# Allegro board LAY-31407_C2.brd (continued)
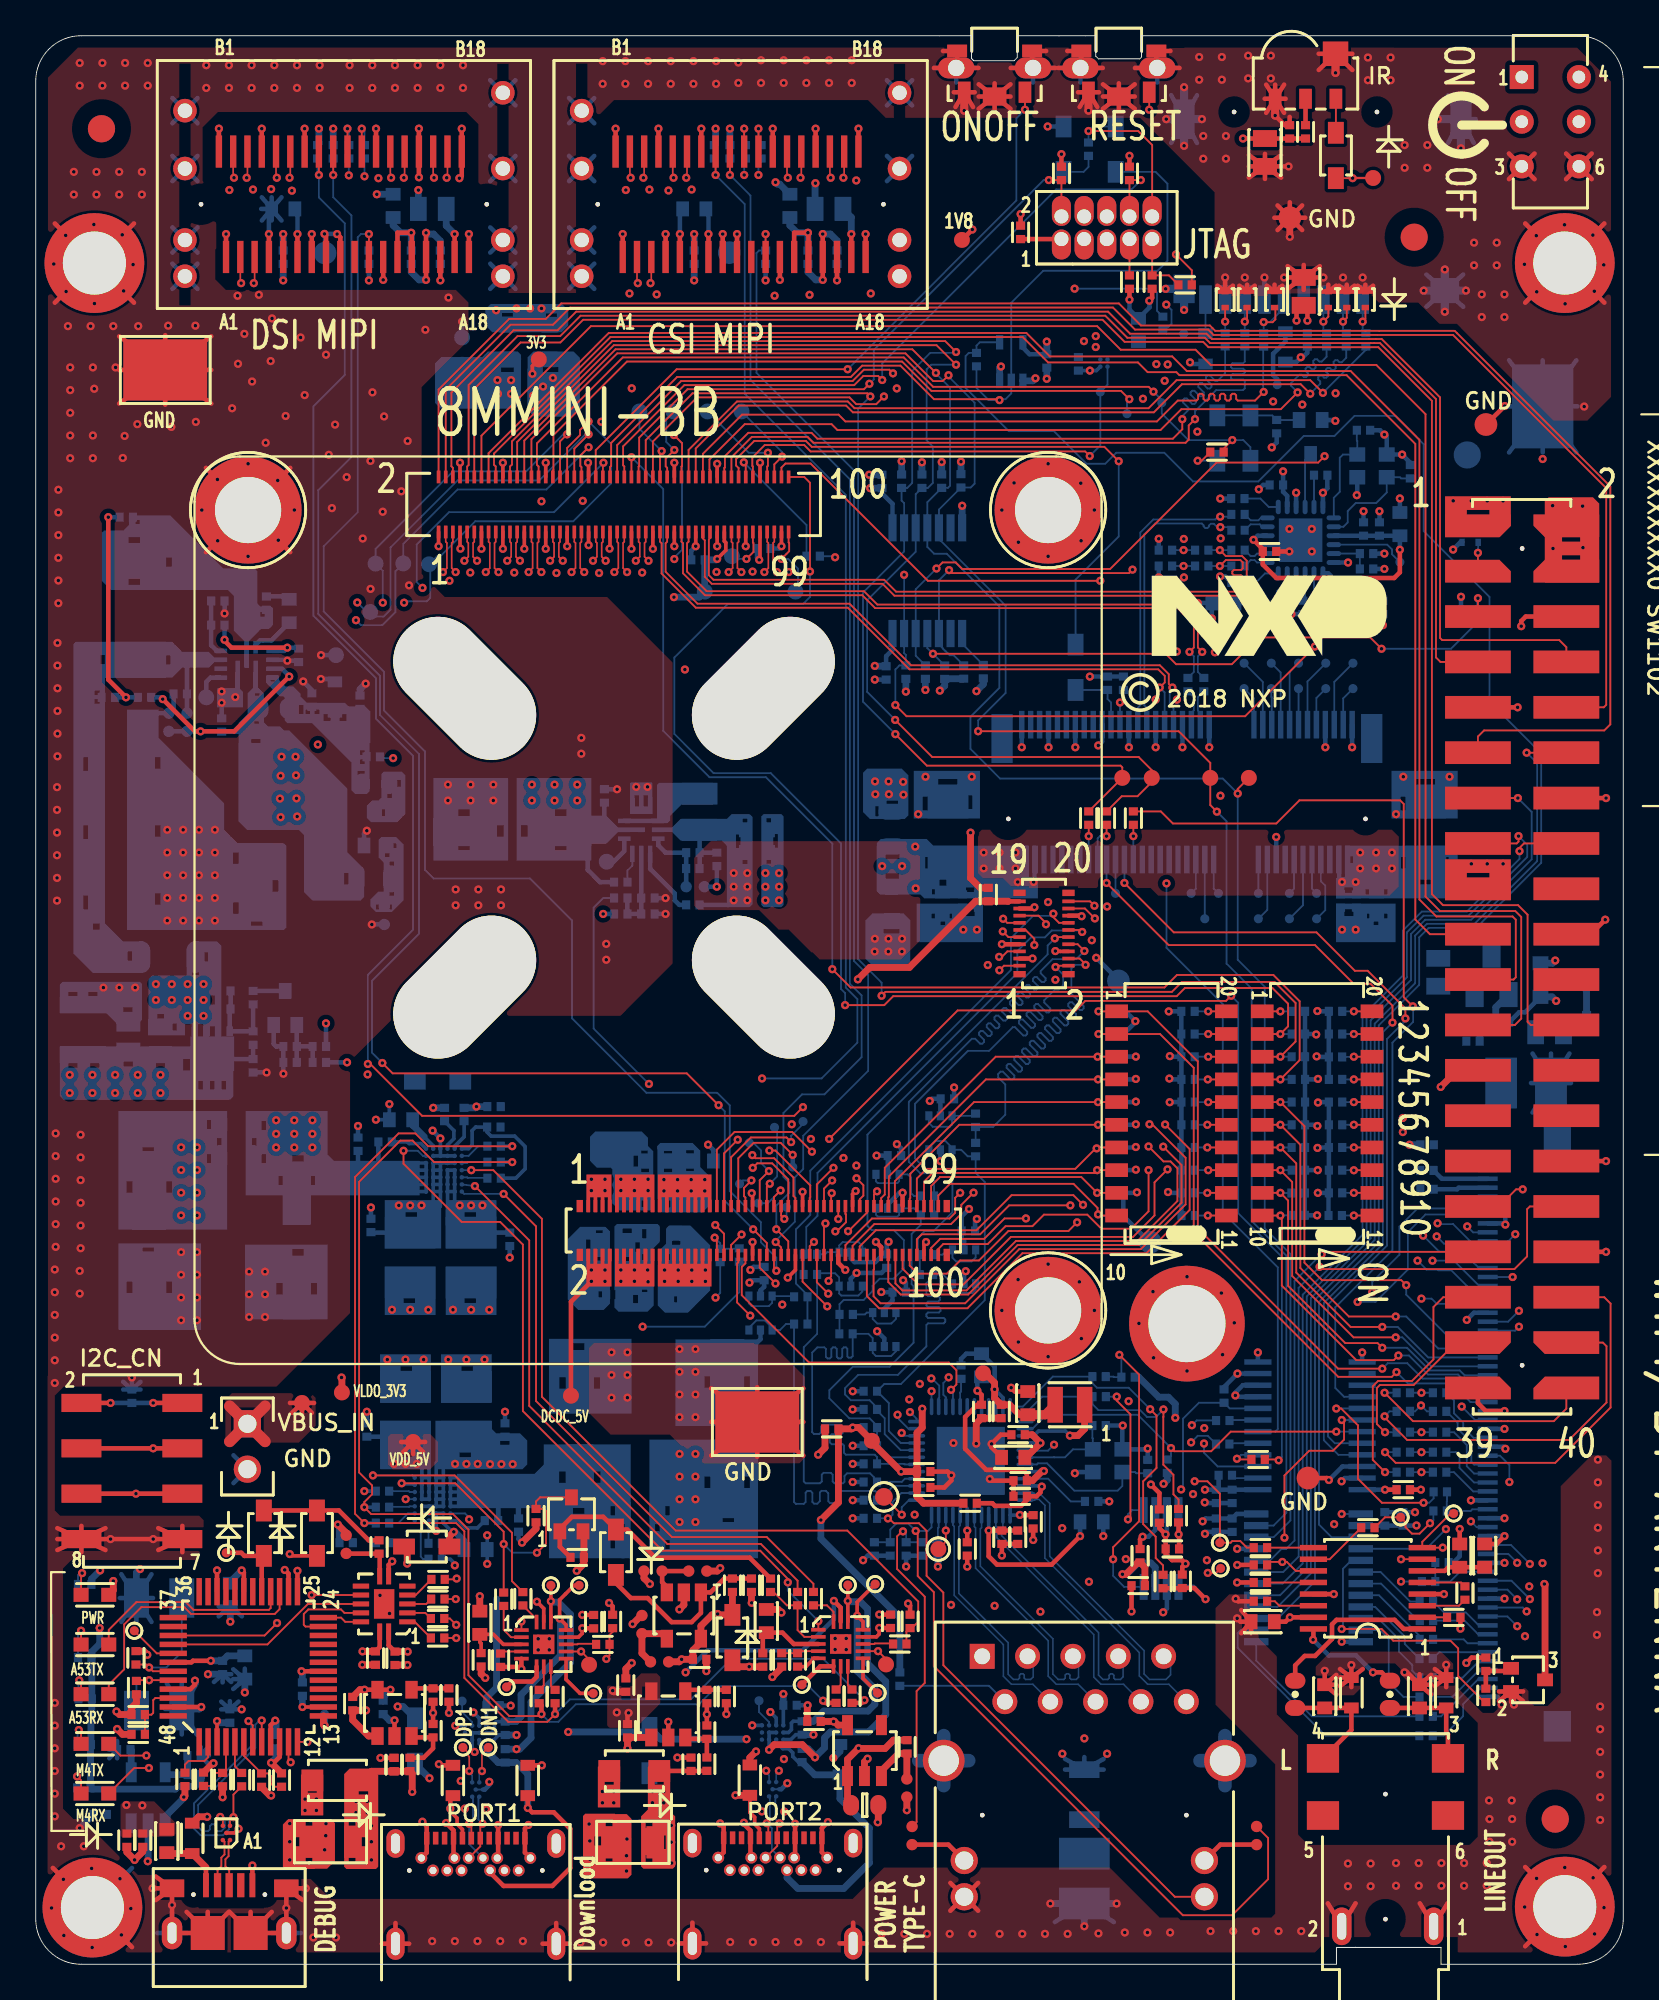
[diagram p0: board, top side]
## Routing (per net, layer and track width the routed paths; a pad name or vN(x,y) marks a point on that pad's centre or on a via; arc(x,y) is an arc through that point) (continued)
SD2_DATA0: length 37.5
  TOP w0.102: v1(64.92,86.49) 64.57,86.14 64.57,85.34 64.39,85.17 43.55,85.17 43.22,85.49 40.1,85.49 38.96,84.35 J201.84
  BOTTOM w0.102: R705.1 67.71,89.71 67.62,89.62 67.02,89.62 66.93,89.53 66.93,89.4 67.02,89.31 67.62,89.31 67.71,89.22 67.71,89.1 67.62,89.01 67.02,89.01 66.93,88.92 66.93,88.79 67.02,88.7 67.62,88.7 67.71,88.61 67.71,88.21 67.6,88.11 66.1,88.11 64.92,86.93 v1(64.92,86.49)
SD2_DATA1: length 37.4
  TOP w0.102: v1(64.21,86.49) 64.21,85.92 63.68,85.39 43.77,85.39 43.44,85.72 39.9,85.72 38.59,84.41 38.59,83.79 38.56,83.76 J201.82
  BOTTOM w0.102: v1(64.21,86.49) 64.21,86.66 64.54,87 64.54,87.12 64.24,87.43 64.24,87.56 64.33,87.65 64.45,87.65 64.76,87.34 64.89,87.34 64.98,87.43 64.98,87.56 64.67,87.86 64.67,87.99 64.76,88.08 64.89,88.08 65.19,87.77 65.32,87.77 65.41,87.86 65.41,87.99 65.1,88.29 65.1,88.42 65.19,88.51 65.32,88.51 65.62,88.2 65.75,88.2 65.84,88.29 65.84,88.42 65.53,88.72 65.53,88.85 65.62,88.94 65.75,88.94 66.05,88.63 66.18,88.63 66.61,89.06 R707.1
SD2_DATA2: length 42.9
  TOP w0.102: v1(72.08,87.96) 71.37,88.67 63.89,88.67 62.31,87.1 45.85,87.1 45.47,87.48 39.27,87.48 36.56,84.77 J201.72
  BOTTOM w0.102: R708.1 74.49,90.37 v1(72.08,87.96)
SD2_DATA3: length 42.9
  TOP w0.102: v1(71.37,87.91) 70.84,88.44 64.19,88.44 62.61,86.87 45.76,86.87 45.38,87.25 39.36,87.25 36.96,84.85 J201.74
  BOTTOM w0.102: v1(71.37,87.91) 71.93,88.47 71.93,88.6 71.82,88.71 71.82,88.83 71.91,88.92 72.03,88.92 72.15,88.81 72.27,88.81 72.36,88.9 72.36,89.03 72.25,89.14 72.25,89.27 72.34,89.36 72.46,89.36 72.58,89.24 72.7,89.24 72.79,89.33 72.79,89.46 72.68,89.57 72.68,89.7 72.77,89.79 72.89,89.79 73.01,89.67 73.13,89.67 73.39,89.93 R709.1
SD2_DET: length 83.3
  L3_IN1 w0.127: v1(63.31,92.9) 62.98,92.57 58.39,92.57 57.53,91.71 57.53,87.93 52.63,83.03 52.63,78.79 50.88,77.04 49.07,77.04 45.55,73.51 45.55,64.1 44.4,62.95 39.7,62.95 37.57,60.82 37.57,59.13 35.79,57.35 35.79,49.13 38.1,46.81 38.1,42.77 37.41,42.09 37.41,40.28 38.07,39.63 v1(38.07,37.31)
  BOTTOM w0.102: v1(63.31,92.9) 63.6,92.61 63.6,91.82 63.42,91.64 63.29,91.64 R218.1 63.32,91.27 TP701.1 TVS701.2 J701.9 ; v1(38.07,37.31) 38.33,37.58 R217.2
SD2_NCD: length 38.2
  TOP w0.102: v1(39.65,84.07) 39.76,83.96 J201.88
  L3_IN1 w0.127: v1(58.18,93.79) 58.18,93.79 55.45,91.06 55.45,88.27 53.67,86.49 41.63,86.49 39.65,84.51 v1(39.65,84.07)
  BOTTOM w0.102: v1(39.65,84.07) 43.16,80.56 R216.2 ; R218.2 62.79,92.55 62.79,93.57 62.57,93.79 v1(58.18,93.79)
SD2_NRST: length 26
  TOP w0.102: J201.90 40.16,83.84 40.13,83.87 40.13,84.34 40.82,85.04 43.03,85.04 43.39,84.68 58.77,84.68 v1(59.02,84.42)
  BOTTOM w0.102: v1(59.02,84.42) 59.61,85.01 TP703.1 60.02,88.41 U702.B1
SPDIF_EXT_CLK: length 62.8
  TOP w0.102: v1(41.08,45.55) 41.42,45.55 43.37,43.6 43.37,42.93 43.34,42.9 J202.63
  L6_IN2 w0.127: v1(41.08,45.55) 40.61,45.08 40.61,42.65 39.08,41.11 39.08,32.33 44.99,26.42 45.94,26.42 46.7,25.66 46.7,25.35 48.46,23.59 54.11,23.59 56.92,20.78 62.94,20.78 63.78,19.94 70,19.94 71.48,21.42 v1(76.45,21.42)
  BOTTOM w0.102: R1003.2 v1(76.45,21.42)
SPDIF_RX: length 72.1
  TOP w0.102: v1(40.13,45.29) 40.3,45.12 41.35,45.12 42.43,44.04 42.43,43 42.54,42.89 J202.59
  L6_IN2 w0.127: v1(82.96,20.42) 82.47,20.91 80.75,20.91 79.56,19.72 71.76,19.72 70.33,18.3 63.11,18.3 62.16,19.24 50.63,19.24 38.51,31.36 38.51,43.68 v1(40.13,45.29)
  BOTTOM w0.102: J1001.48 82.41,20.97 v1(82.96,20.42)
SPDIF_TX: length 71.8
  TOP w0.102: v1(40.15,44.58) 40.4,44.83 41.24,44.83 42.14,43.93 J202.57
  L6_IN2 w0.127: v1(83.67,20.44) 82.81,21.29 80.58,21.29 79.38,20.09 71.6,20.09 70.18,18.67 63.54,18.67 61.87,20.33 55.75,20.33 53.26,22.82 48.52,22.82 45.92,25.43 45.14,25.43 38.81,31.75 38.81,43.24 v1(40.15,44.58)
  BOTTOM w0.102: v1(83.67,20.44) 82.64,21.47 J1001.47
SUSCLK_32K: length 1.9
  TOP w0.102: R629.1 v1(61.47,63.15)
  BOTTOM w0.102: J601.50 v1(61.47,63.15)
SYS_NRST: length 80.7
  TOP w0.102: J202.39 38.54,45.39 v1(39.31,46.15) ; SW902.2 v1(62.35,103.81)
  L3_IN1 w0.127: v1(39.31,46.15) 41.96,48.81 43.89,48.81 46.52,51.44 46.52,55.32 46.02,55.82 46.02,73.27 49.05,76.3 50.88,76.3 52.93,78.36 52.93,82.85 57.84,87.76 57.84,91.44 58.55,92.16 64.57,92.16 65.23,92.81 65.23,98.65 62.35,101.52 v1(62.35,103.81)
TCPC_NINT1: length 79.2
  TOP w0.102: J201.70 36.16,83.84 36.19,83.87 36.19,85.14 v1(35.74,85.6) ; TP305.1 30.99,17.06 v1(30.54,17.51) U303.10
  L3_IN1 w0.127: v1(35.76,78.66) 36.26,78.16 36.26,75.29 28.61,67.64 28.61,49.36 25.88,46.63 25.88,44.35 27.28,42.95 27.28,24.45 29.87,21.86 29.87,18.18 v1(30.54,17.51)
  BOTTOM w0.102: v1(35.74,85.6) 36.19,85.14 36.19,79.17 35.76,78.74 v1(35.76,78.66)
TCPC_NINT2: length 83.7
  TOP w0.102: U306.10 v1(47.17,17.53) 47.62,17.08 TP308.1
  L3_IN1 w0.127: v1(47.17,17.53) 46.88,17.53 43.69,20.72 43.69,22.45 36.7,29.44 36.61,29.44 35.28,30.77 35.28,34.39 v1(33.99,35.69) 32.32,37.35 32.32,55.13 36.9,59.71 36.9,61.3 45.26,69.66 45.26,78.26 v1(44.76,78.76)
  BOTTOM w0.102: R216.1 44.7,78.82 v1(44.76,78.76) ; v1(33.99,35.69) 37.47,35.69 39.4,37.62 R219.1
TEST_MODE: length 70.2
  TOP w0.102: J201.56 v1(33.36,84.36) ; v1(44.61,55.7) 45.63,54.68 63.21,54.68 63.91,55.38 69.31,55.38 70.78,53.9 70.78,50.61 v1(69.7,49.53) SW1101.4
  BOTTOM w0.102: R1110.1 v1(69.7,49.53) ; v1(44.61,55.7) 44.61,62.73 40.89,66.45 37.73,66.45 35.14,69.04 35.14,82.58 v1(33.36,84.36)
UART2_RXD: length 86.2
  TOP w0.102: R910.2 v1(23.52,20.44) ; J201.36 29.36,85.24 v1(29.76,85.64)
  L3_IN1 w0.127: v1(19.44,76.21) 19.44,76.03 17.53,74.12 17.53,58.24 11.13,51.84 11.13,34.65 15.49,30.28 15.49,24.89 19.1,21.29 22.68,21.29 v1(23.52,20.44)
  BOTTOM w0.102: v1(29.76,85.64) 29.54,85.64 27.47,83.57 23.37,83.57 19.03,79.23 TP906.1 19.44,78 v1(19.44,76.21)
UART2_TXD: length 89.9
  TOP w0.102: v1(30.96,86.36) 30.48,85.88 30.48,85.6 29.76,84.88 J201.38 ; R911.2 23.53,21.55 v1(23.57,21.59)
  L3_IN1 w0.127: v1(20.63,76.21) 18.02,73.6 18.02,58.15 11.43,51.56 11.43,34.9 15.93,30.4 15.93,24.82 19.15,21.59 23.37,21.59 23.38,21.6 23.56,21.6 v1(23.57,21.59)
  BOTTOM w0.102: v1(20.63,76.21) 20.71,76.29 21.9,76.29 22.09,76.48 22.09,78.3 TP905.1 22.45,78.79 22.63,78.79 24.61,80.77 30.1,80.77 32.22,82.89 32.22,85.1 v1(30.96,86.36)
UART3_CTS: length 79.8
  TOP w0.102: J201.10 24.16,83.84 24.24,83.92 24.24,88.4 26.98,91.14 29.37,91.14 30.51,92.28 59.89,92.28 61.13,91.04 65.47,91.04 65.77,90.74 74.76,90.74 75.28,90.74 78.41,87.61 78.41,73.15 78.66,72.9 J1003.7
UART3_RTS: length 98.7
  TOP w0.102: J201.2 22.56,88.15 26.51,92.1 28.56,92.1 28.98,92.52 29.43,92.96 60.65,92.96 61.89,91.73 65.75,91.73 65.88,91.6 65.88,91.6 66.05,91.43 74.48,91.43 74.48,91.43 75.23,91.43 79.46,91.43 79.6,91.3 88.17,82.72 88.17,69.4 87.83,69.06 81.1,69.06 80.76,68.72 J1003.11
UART3_RXD: length 90.4
  TOP w0.102: J201.4 22.96,88.14 26.59,91.77 28.96,91.77 29.93,92.74 60.32,92.74 61.56,91.5 65.66,91.5 65.96,91.2 74.57,91.2 79.37,91.2 87.94,82.62 87.94,70.5 87.81,70.36 J1003.10
UART3_TXD: length 85.6
  TOP w0.102: J201.6 23.36,83.77 23.28,83.85 23.28,87.98 26.76,91.47 29.22,91.47 30.27,92.51 60.05,92.51 61.28,91.27 65.56,91.27 65.86,90.97 74.67,90.97 75.37,90.97 78.64,87.7 78.64,74.24 78.76,74.12 85.32,74.12 85.71,73.73 J1003.8
UART4_RXD: length 91.9
  TOP w0.102: J201.40 30.16,84.84 v1(30.96,85.64) ; R908.2 v1(23.55,18.26)
  L3_IN1 w0.127: v1(18.01,76.23) 16.82,75.04 16.82,58.99 10.44,52.61 10.44,34.26 14.71,30 14.71,24.82 17.7,21.82 17.7,19.86 19.3,18.26 v1(23.55,18.26)
  BOTTOM w0.102: v1(30.96,85.64) 30.78,85.64 28.2,83.06 23.62,83.06 19.87,79.3 19.87,75.82 19.48,75.44 18.98,75.44 TP903.1 18.54,75.69 v1(18.01,76.23)
UART4_TXD: length 89
  TOP w0.102: v1(30.96,84.91) 30.5,84.45 30.5,83.87 30.56,83.81 J201.42 ; R909.2 23.19,19.35 v1(23.55,19)
  L3_IN1 w0.127: v1(23.55,19) 19,19 18.1,19.9 18.1,21.91 15.11,24.89 15.11,30.02 10.87,34.26 10.87,52.68 17.09,58.9 17.09,74.4 v1(17.93,75.23)
  BOTTOM w0.102: v1(30.96,84.91) 28.6,82.55 23.62,82.55 20.58,79.51 TP902.1 20.14,77.97 20.14,75.69 19.41,74.96 18.21,74.96 v1(17.93,75.23)
USB1_CC1: length 12.2
  TOP w0.203: U303.13 29.7,18.99 v1(29.34,19.35) 29.34,20.4 30.15,21.21 TP303.1
  BOTTOM w0.203: R336.2 25.79,13.58 25.69,13.49 25.69,13.12 25.53,12.95 U308.A2
  BOTTOM w0.381: v1(29.34,19.35) 29.39,19.3 29.39,17.3 27.18,15.09 27.18,13.87 26.89,13.58 R336.2
USB1_CC1_CN: length 11.6
  TOP w0.203: J301.A5 23.9,7.55 23.6,7.85 23.6,8.18 23.22,8.56 v1(23.22,8.71)
  TOP w0.254: TVS304.2 23.22,9.29 v1(23.22,8.71)
  L3_IN1 w0.381: v1(23.22,8.71) 23.22,11.53 24.52,12.83 v1(26.92,12.83)
  BOTTOM w0.203: U308.A1 25.65,12.55 25.93,12.83 R336.1
  BOTTOM w0.381: R336.1 v1(26.92,12.83)
USB1_CC2: length 16.9
  TOP w0.203: TP304.1 v1(28.85,20.32) U303.14
  L3_IN1 w0.381: v1(26.92,12.04) 24.73,12.04 v1(24.58,11.88)
  BOTTOM w0.203: U308.B2 U308.C2 U308.C1 24.44,12.02 v1(24.58,11.88)
  BOTTOM w0.381: R337.2 v1(26.92,12.04) 27.1,12.04 27.74,12.67 27.74,14.68 29.95,16.89 29.95,19.58 29.26,20.27 28.95,20.27 28.9,20.32 v1(28.85,20.32)
USB1_CC2_CN: length 16.6
  TOP w0.254: J301.B5 25.45,5.14 26.2,4.39 28.93,4.39 29.93,5.38 29.93,7.58 29.01,8.51 27.8,8.51 v1(27.55,8.75) TVS303.2
  BOTTOM w0.203: 25.07,12.12 24.84,12.35 U308.B1
  BOTTOM w0.254: 25.44,11.75 25.07,12.12
  BOTTOM w0.381: v1(27.55,8.75) 27.55,10.65 26.91,11.29 R337.1 25.89,11.29 25.44,11.75
USB1_DN: length 86.8
  TOP w0.089: TP908.1 24.99,11.78 v1(24.99,10.81) ; J201.83 38.96,79.62 39.03,79.56 39.03,78.15 v1(38.8,77.93)
  L3_IN1 w0.089: v1(38.8,77.93) 39.05,77.68 39.05,76.35 32.98,70.28 32.98,62.64 29.79,59.46 29.79,47.69 28.25,46.14 28.25,24.86 32.61,20.49 32.61,16.72 30.89,15 30.89,12.14 28.12,9.37 26.59,9.37 26.51,9.45 26.51,9.69 26.43,9.76 26.32,9.76 26.24,9.69 26.24,9.45 26.16,9.37 24.83,9.37 24.74,9.46 24.74,10.57 v1(24.99,10.81)
  BOTTOM w0.089: v1(24.99,10.81) 24.84,10.66 U307.C2
USB1_DN_CN: length 3.9
  TOP w0.102: J301.B7 24.9,6.6 J301.A7 24.9,7.74 v1(25.02,7.87)
  BOTTOM w0.102: v1(25.02,7.87) 24.79,8.1 24.79,9.33 U307.A2
USB1_DP: length 86.9
  TOP w0.089: J201.85 39.36,79.62 39.29,79.56 39.29,78.15 v1(39.52,77.93) ; TP907.1 24.18,11.88 24.18,11.72 24.28,11.62 v1(24.28,10.81)
  L3_IN1 w0.089: v1(39.52,77.93) 39.27,77.68 39.27,76.26 33.19,70.19 33.19,62.55 30.01,59.37 30.01,47.6 28.46,46.05 28.46,24.95 32.83,20.58 32.83,16.63 31.1,14.91 31.1,12.05 28.2,9.15 24.74,9.15 24.53,9.37 24.53,10.57 v1(24.28,10.81)
  BOTTOM w0.089: U307.C1 24.44,10.55 24.41,10.57 24.41,10.68 v1(24.28,10.81)
USB1_DP_CN: length 4.7
  TOP w0.102: v1(24.27,7.86) 24.4,7.74 J301.A6
  BOTTOM w0.102: J301.B6 24.27,6.73 v1(24.27,7.86) 24.49,8.08 24.49,9.33 U307.A1
USB1_ID: length 2.6
  TOP w0.102: J201.89 40.16,79.59 40.19,79.55 40.19,79.05 v1(39.8,78.66)
  BOTTOM w0.102: v1(39.8,78.66) 39.14,78.66 TP301.1
USB1_OTG_VBUS: length 10.3
  TOP w0.254: v1(25.9,7.8) J301.A9 25.9,6 J301.B4 ; v1(22.98,7.91) 23.4,7.5 J301.A4 23.4,6 J301.B9
  TOP w0.381: D301.C 18.8,10.8 R301.1 20.07,10.81 R306.1 21.08,10.68 v1(21.08,9.65)
  L5_POWER_2 w0.254: 22.89,5.95 J301.B9 23.45,6.51 ; 25.85,6.51 J301.B4 26.41,5.95
  vias: v1(17.93,9.12) v1(17.93,8.48) v1(18.57,9.12) v1(18.57,8.48) v1(18.8,7.75) v1(18.8,6.86) v1(18.8,5.84)
USB1_OTG_VBUS_F: length 12.3
  TOP w0.203: U303.15 28.45,19.91 v1(28.07,20.29)
  BOTTOM w0.203: U302.E5 U302.D5 ; U302.E5 U302.F5 ; U302.E5 U302.E4 ; U302.D5 U302.C5 U302.C4 ; U302.D5 U302.D4 ; U302.C4 U302.D4 ; U302.C4 U302.C3 U302.C2 ; U302.F5 U302.F4 ; U302.F5 U302.G5 ; U302.F4 U302.G4 ; U302.F4 U302.E4 ; U302.G5 22.82,28.11 22.82,28.11 ; U302.G5 U302.G4 ; U302.D4 U302.E4 ; U302.G4 22.42,28.07
  BOTTOM w0.254: C302.1 C301.1
  BOTTOM w0.381: D309.A v1(22.05,10.41)
  vias: v1(14.22,7.87) v1(14.22,6.86) v1(14.22,5.84) v1(16.25,7.87) v1(16.24,7.2) v1(16.18,6.41) v1(23.48,28.01) v1(24.12,28.01) v1(24.75,28.01) v1(25.44,27.99) v1(26.08,27.99) v1(26.71,27.99)
USB1_VBUS: length 87.4
  TOP w0.203: J201.81 38.56,79.66 38.64,79.58 38.64,79.15 v1(38.16,78.66)
  TOP w0.381: U301.1 18.64,12.78 17.75,13.67 17.75,14.21 R307.2 v1(18.5,14.21)
  L3_IN1 w0.381: v1(35.74,76.53) 35.74,75.31 26.58,66.15 26.58,64.85 20.14,58.41 20.14,55.52 16.33,51.72 16.33,31.09 19.46,27.97 19.46,26.29 22.43,23.32 23.62,23.32 24.16,22.78 24.16,18.06 22.27,16.18 19.58,16.18 19.18,15.77 19.18,14.89 v1(18.5,14.21)
  BOTTOM w0.381: v1(35.74,76.53) 37.16,76.53 TP909.1 37.46,76.84 C215.1 38.11,78.61 v1(38.16,78.66)
USB1_VBUS_IN: length 4.1
  BOTTOM w0.203: U302.F6 U302.G6 23.73,27.23 ; U302.F6 23.73,26.84 ; U302.F6 U302.E6 ; U302.E6 23.73,26.44 ; U302.E6 U302.D6 ; 23.73,25.63 U302.C6 U302.D6 ; U302.D6 23.73,26.04
USB2_CC1: length 14.5
  TOP w0.203: U306.13 46.33,19.18 v1(46,19.51) 46,20.27 TP306.1
  BOTTOM w0.203: U310.A2 42.15,12.97 42.32,13.14 42.32,13.5 42.41,13.6 R338.2
  BOTTOM w0.381: v1(46,19.51) 46,16.41 46.99,15.42 46.99,14.55 46.61,14.17 44.12,14.17 43.55,13.6 R338.2
USB2_CC1_CN: length 12.6
  TOP w0.203: TVS308.2 39.99,8.5 40.26,8.23 40.26,7.85 40.52,7.58 J302.A5
  TOP w0.381: TVS308.2 v1(39.18,9.46)
  L3_IN1 w0.381: v1(39.18,9.46) 39.5,9.14 42.24,9.14 42.93,9.83 42.93,12.23 v1(43.55,12.85)
  BOTTOM w0.203: U310.A1 42.28,12.57 42.56,12.85 R338.1
  BOTTOM w0.381: R338.1 v1(43.55,12.85)
USB2_CC2: length 20.3
  TOP w0.203: TP307.1 v1(45.48,20.34) U306.14
  TOP w0.381: v1(41.07,12.01) 41.35,12.29 42.93,12.29 v1(43.64,11.58)
  BOTTOM w0.203: U310.B2 U310.C2 U310.C1 v1(41.07,12.01)
  BOTTOM w0.381: R339.2 43.26,12.06 43.64,11.68 v1(43.64,11.58) 44.17,12.12 44.17,12.67 44.5,13 46.63,13 47.6,13.97 47.6,15.82 46.58,16.84 46.58,19.89 46.18,20.29 45.52,20.29 v1(45.48,20.34)
USB2_CC2_CN: length 16.1
  BOTTOM w0.203: U310.B1 41.47,12.43 41.83,12.07 42.16,12.07 42.39,11.84 42.39,11.63 42.72,11.31 R339.1
  BOTTOM w0.381: R339.1 43.62,10.61 TVS307.2 45.03,9.27 46.69,7.62 46.69,5.68 45.25,4.24 42.68,4.24 42.07,4.85 J302.B5
USB2_DN: length 82.4
  TOP w0.089: J201.93 40.96,79.62 41.03,79.56 41.03,78.15 v1(40.8,77.93)
  L3_IN1 w0.089: v1(41.62,10.83) 41.37,10.59 41.37,10.13 41.14,9.9 39.74,9.9 39.12,10.52 39.12,17.5 29.88,26.73 29.88,44.68 31.28,46.07 31.28,57.51 35.79,62.02 35.79,71.03 41.05,76.3 41.05,77.68 v1(40.8,77.93)
  BOTTOM w0.089: U309.C2 41.47,10.68 v1(41.62,10.83)
USB2_DN_CN: length 3.9
  TOP w0.102: J302.B7 41.52,6.62 J302.A7 41.52,7.76 v1(41.65,7.89)
  BOTTOM w0.102: v1(41.65,7.89) 41.42,8.12 41.42,9.35 U309.A2
USB2_DP: length 82.4
  TOP w0.089: J201.95 41.36,79.62 41.29,79.56 41.29,78.15 v1(41.52,77.93)
  L3_IN1 w0.089: v1(40.91,10.83) 41.15,10.59 41.15,10.22 41.06,10.13 40.56,10.13 40.47,10.22 40.47,10.47 40.4,10.55 40.29,10.55 40.21,10.47 40.21,10.21 40.13,10.13 39.81,10.13 39.33,10.61 39.33,17.59 30.1,26.82 30.1,44.59 31.49,45.98 31.49,57.42 36,61.93 36,70.95 41.27,76.21 41.27,77.68 v1(41.52,77.93)
  BOTTOM w0.089: v1(40.91,10.83) 41.04,10.7 41.04,10.59 41.07,10.57 U309.C1
USB2_DP_CN: length 4.7
  TOP w0.102: J302.A6 41.02,7.81 v1(40.94,7.9)
  BOTTOM w0.102: J302.B6 41.22,6.42 41.22,7.61 v1(40.94,7.9) 41.01,7.9 41.11,8 41.11,9.35 U309.A1
USB2_ID: length 4.2
  TOP w0.102: v1(41.76,78.66) 42.19,79.1 42.19,79.55 42.16,79.59 J201.99
  BOTTOM w0.102: TP302.1 42.68,76.97 42.68,78.12 42.14,78.66 v1(41.76,78.66)
USB2_OTG_VBUS: length 22.7
  TOP w0.254: J302.B9 40.02,6.02 J302.A4 40.02,7.48 39.66,7.85 v1(39.66,7.92) ; J302.B4 42.52,6.02 J302.A9 v1(42.52,7.87) ; D303.C C323.1 R319.1
  TOP w0.381: v1(34.39,21.29) 34.06,21.61 R356.1
  L3_IN1 w0.381: v1(34.39,21.29) 35,20.68 35,16.51 36.35,15.16 36.35,12.98 35.17,11.8 v1(35.17,9.67)
  L5_POWER_2 w0.254: 42.47,6.53 J302.B4 43.03,5.97 ; 39.51,5.97 J302.B9 40.07,6.53
  vias: v1(34.53,9.67) v1(34.53,9.04) v1(35.17,9.04) v1(35.59,7.77) v1(35.59,6.83) v1(35.61,5.66)
USB2_OTG_VBUS_F: length 33.9
  TOP w0.254: v1(44.69,20.34) 45.08,19.96 U306.15
  L3_IN1 w0.381: v1(36.39,16.34) 36.86,15.87 36.86,9.05 36.27,8.46 35.35,8.46 33.9,7.01 v1(33.11,7.01)
  BOTTOM w0.203: U305.E5 U305.D5 ; U305.E5 U305.E4 ; U305.E5 U305.F5 ; U305.D5 U305.C5 U305.C4 ; U305.D5 U305.D4 ; U305.G4 U305.F4 ; U305.G4 22.66,42.42 ; U305.G4 U305.G5 ; U305.F4 U305.E4 ; U305.F4 U305.F5 ; U305.E4 U305.D4 ; U305.D4 U305.C4 ; 22.26,42.37 U305.G5 ; U305.G5 U305.F5 ; U305.C4 U305.C3 U305.C2
  BOTTOM w0.254: v1(44.69,20.34) 44.69,19.32 42.95,17.58 37.63,17.58 v1(36.39,16.34) ; C322.1 18.8,40.95 C321.1
  vias: v1(20.33,42.48) v1(20.97,42.48) v1(21.6,42.48) v1(30.99,7.85) v1(31.03,6.9) v1(31.03,5.89) v1(33.08,6.08) v1(33.08,5.22)
USB2_VBUS: length 70.4
  TOP w0.203: v1(40.51,78.61) 40.56,78.66 J201.91
  TOP w0.381: v1(33.14,12.08) R320.2 U304.1
  L3_IN1 w0.381: v1(36.35,72.47) 34.92,71.04 34.92,62.99 30.66,58.73 30.66,46.88 29.08,45.29 29.08,25.38 34.49,19.96 34.49,13.44 v1(33.14,12.08)
  BOTTOM w0.254: v1(40.51,78.61) 40.39,78.73 C216.1
USB2_VBUS_IN: length 6
  BOTTOM w0.203: U305.D6 U305.C6 21.35,44.85 ; U305.D6 U305.E6 ; U305.D6 21.35,44.45 ; 21.35,43.25 U305.G6 U305.F6 ; 21.35,43.65 U305.F6 ; U305.F6 U305.E6 ; U305.E6 21.35,44.05
  BOTTOM w0.254: C325.1 18.05,44.89 ; C330.2 19.19,44.76
  vias: v1(13.46,47.24) v1(13.46,46.48) v1(13.46,45.72) v1(14.48,47.24) v1(14.48,46.48) v1(14.48,45.72) v1(15.49,47.24) v1(15.49,46.48) v1(15.49,45.72)
USB_DBG_DM: length 2.7
  TOP w0.102: J901.2 10.18,5.27 10.39,5.48 10.39,5.97 10.57,6.15 10.57,6.86 U902.A2
USB_DBG_DP: length 2.7
  TOP w0.102: U902.A1 10.8,6.87 10.8,6.05 10.62,5.88 10.62,5.48 10.83,5.27 J901.3
USB_LD_NFLT1: length 1.7
  TOP w0.102: U303.11 30.33,17.91 30.36,17.94 31.35,17.94 R340.1
USB_LD_NFLT2: length 1.7
  TOP w0.102: R341.1 47.98,17.96 46.99,17.96 46.96,17.93 U306.11
VEXT_3V3: length 12.2
  TOP w0.254: J802.A13 42.47,96.92 v1(43.24,96.92) 43.27,96.89 J802.A14 ; J801.A13 20.26,96.92 v1(21.03,96.92) 21.06,96.89 J801.A14
  BOTTOM w0.381: C814.1 20.02,97.34 20.43,96.92 v1(21.03,96.92) C803.1 ; C806.1 v1(43.24,96.92) 42.64,96.92 42.23,97.34 C811.1
  vias: v1(25.78,92.58) v1(26.92,92.68) v1(27.69,92.68) v1(28.32,92.68) v1(79.38,81.91) v1(80.39,81.91) v1(80.39,61.6) v1(81.28,81.91) v1(81.28,61.6) v1(82.17,81.91) v1(82.17,61.6)
VLDO1_3V3: length 3.1
  TOP w0.381: D312.A 23.16,23.96 v1(23.41,24.21)
  BOTTOM w0.203: U302.A5 22.82,24.7 23.31,24.21 v1(23.41,24.21)
  BOTTOM w0.381: v1(23.41,24.21) 23.47,24.21 23.98,23.69 C317.1
VLDO2_3V3: length 2.1
  BOTTOM w0.203: 21.76,46.32 22.26,45.81 U305.A5
  BOTTOM w0.381: C334.1 21.1,46.97 21.76,46.32
VLDO_3V3: length 30.2
  TOP w0.381: U312.5 44.93,13.39 44.73,13.59 v1(44.68,13.59) C340.1 ; D312.C 20.8,23.2 v1(20.8,22.43) ; v1(17.12,32.84) 17.15,32.84 TP315.1 ; R358.1 36.03,16.93 v1(36.17,17.07) C344.1 36.8,17.58 37.25,18.02 U311.5 37.25,18.94 37.87,19.56 38.14,19.56 v1(38.19,19.61) 38.24,19.56 D310.C 39.01,19.56 R343.1
  L3_IN1 w0.381: v1(44.68,13.59) 44.68,13.64 44.66,13.66 44.66,14.99 44.28,15.37 43.21,15.37 42.97,15.13 v1(41.87,15.13) 41.18,15.13 40.54,15.77 40.54,17.25 v1(38.19,19.61)
  BOTTOM w0.203: U310.A3 C338.1 ; U308.A3 C337.1
  BOTTOM w0.381: C338.1 v1(41.87,15.13) ; 25.81,20.45 25.81,15.49 25.24,14.93 C337.1
VPCIE_3V3: length 13.5
  L3_IN1 w0.381: v1(59.03,72.08) 57.4,70.45 57.4,64.77 v1(54.86,62.23)
  BOTTOM w0.254: v1(59.03,72.08) R627.1 R626.1
  vias: v1(47.4,61.47) v1(48.51,61.47) v1(49.25,62.56) v1(49.28,60.22) v1(53.09,62.23) v1(53.09,61.34) v1(53.97,62.23) v1(53.97,61.34) v1(54.86,61.34) v1(54.99,60.58) v1(55.88,60.58) v1(73.15,60.58) v1(73.91,60.58) v1(74.17,62.23) v1(74.17,61.34) v1(75.06,62.23) v1(75.06,61.34) v1(75.95,62.23) v1(75.95,61.34)
VSD_3V3: length 5.3
  TOP w0.254: v1(71.21,92) 71.21,92.65 C703.1 70.6,92.46 v1(70.6,92)
  BOTTOM w0.254: TVS702.2 69.98,90.83 69.29,90.15 69.29,88.95 69.52,88.72 TP704.1
  vias: v1(58.7,90.86) v1(59.36,91.14) v1(59.36,90.53)
N98831920: length 4
  TOP w0.102: D706.C 69.42,92.69 69.42,92.07 69.26,91.91 68.77,91.91 v1(68.76,91.92)
  BOTTOM w0.102: J701.5 69.91,92.72 69.11,91.92 v1(68.76,91.92) R704.2
N99468751: length 1.5
  TOP w0.254: R714.2 U701.2
N99799646: length 3.9
  BOTTOM w0.102: U501.9 56.69,27.18 57.96,25.91 R515.1
N101118681: length 2.7
  TOP w0.102: D704.C v1(66.61,91.95)
  BOTTOM w0.102: R707.2 v1(66.61,91.95) J701.8
N101118689: length 2.7
  TOP w0.102: D705.C 67.83,92.07 v1(67.71,91.95)
  BOTTOM w0.102: J701.7 v1(67.71,91.95) R705.2
N101118780: length 2.9
  TOP w0.102: D707.C 72.38,92.23 v1(72.11,91.95)
  BOTTOM w0.102: J701.3 v1(72.11,91.95) 72.11,91.48 R702.2
N101118786: length 2.8
  TOP w0.102: v1(73.21,91.95) 73.42,92.16 D702.C
  BOTTOM w0.102: J701.2 v1(73.21,91.95) 73.21,91.48 R709.2
N101118794: length 2.8
  TOP w0.102: D703.C 74.46,92.1 v1(74.31,91.95)
  BOTTOM w0.102: J701.1 v1(74.31,91.95) 74.31,91.48 R708.2
N101800237: length 3.2
  BOTTOM w0.254: R1028.1 78.74,43.97 J1001.2
N101995244: length 14.5
  L3_IN1 w0.254: v1(67.95,76.2) 69.57,77.83 69.57,83.29 v1(69.85,83.57)
  BOTTOM w0.254: U601.11 70.08,77.32 69.6,76.83 C611.1 C608.1 v1(67.95,76.2) L602.2 ; U601.20 70.08,82.19 69.85,82.42 C609.1 v1(69.85,83.57)
N101995252: length 6.3
  BOTTOM w0.102: C614.1 76.46,83.17 76.39,83.24 Y601.3 75.65,82.38 75.06,81.79 73.92,81.79 73.47,81.34 73.47,80.71 73.22,80.46 U601.2
N101995256: length 5.9
  BOTTOM w0.102: C613.1 73.98,85.29 74,85.27 Y601.1 73.2,84.51 73.03,84.33 73.03,82.42 72.69,82.09 U601.1
N101995353: length 16.3
  TOP w0.254: v1(68.19,79.74) 68.71,79.22 C607.1 68.71,78.35 69.47,77.6 76.07,77.6 76.39,77.91 v1(76.39,79.18)
  BOTTOM w0.254: U601.3 C605.1 C606.1 L601.1 v1(76.39,79.18) ; v1(68.19,79.74) 68.42,79.96 68.97,79.96
N101995404: length 1.5
  BOTTOM w0.099: R610.1 68.03,78.6 68.25,78.6 68.39,78.46 68.97,78.46
N101995406: length 4.3
  BOTTOM w0.102: U601.4 75.68,79.46 75.95,79.2 75.95,79.15 75.95,79.14 75.95,78.92 TP602.1
N101995408: length 1.5
  BOTTOM w0.099: R611.1 68.03,78.83 68.25,78.83 68.39,78.96 68.97,78.96
N101995436: length 1.5
  BOTTOM w0.099: 68.97,80.46 68.69,80.46 68.55,80.6 68.03,80.6 R616.1
N101995453: length 1.5
  BOTTOM w0.099: R617.1 68.03,80.83 68.47,80.83 68.61,80.96 68.97,80.96
N101995570: length 4.7
  BOTTOM w0.254: U601.7 72.39,77.85 72.77,77.47 C604.1 C603.1 R604.2 R603.2
N101995643: length 2.1
  BOTTOM w0.102: U601.19 69.05,81.57 68.58,82.04 R619.2
N101995645: length 2.1
  BOTTOM w0.102: R618.2 68.33,77.34 68.84,77.85 U601.12
N101995688: length 1.8
  BOTTOM w0.102: R620.2 U601.23
N102026698: length 4.7
  BOTTOM w0.102: D602.A 68.01,86.7 D603.A 69.24,86.7 R623.2 69.5,86.44 Q604.1
N102880674: length 1.4
  TOP w0.102: U401.2 C401.1
N102887128: length 2.7
  TOP w0.102: U401.14 69.64,20.07 69.39,20.32 C404.2
N102887637: length 5.9
  TOP w0.254: U401.16 71.55,18.18 v1(71.53,18.16) ; R403.1 75.37,16.34 v1(74.88,16.34)
  BOTTOM w0.254: v1(74.88,16.34) 73.94,17.29 72.4,17.29 v1(71.53,18.16)
N102887640: length 9.7
  TOP w0.254: R404.1 70.53,16.73 71.06,17.26 71.64,17.26 72.59,18.21 72.59,19.02 72.84,19.28 76.09,19.28 76.6,18.77 U401.1
N102889416: length 2.5
  TOP w0.102: U401.5 79.82,21.37 C405.1
N102889418: length 2.5
  TOP w0.102: C405.2 79.7,20.07 U401.3
N102889692: length 2.6
  TOP w0.102: R406.1 U401.12
N102889696: length 3.4
  TOP w0.102: U401.10 72.46,22.67 R401.2
N102889754: length 2.6
  TOP w0.102: R402.2 U401.9
N103555946: length 4.5
  TOP w0.254: v1(16.88,96.85) 17.06,96.67 J801.A9 ; J801.A8 16.26,96.77 v1(16.17,96.86)
  BOTTOM w0.254: TP801.1 16.21,96.82 v1(16.17,96.86) 16.87,96.86 v1(16.88,96.85)
N103620608: length 3
  BOTTOM w0.254: 8.47,73.02 C106.1 R105.1
N103620806: length 2.5
  BOTTOM w0.254: U101.8 12.31,73.85 12.57,74.1 13.2,74.1 R102.1
N103620818: length 1.3
  BOTTOM w0.254: C102.1 14.03,76.56 R102.2
N103621273: length 12.7
  TOP w0.254: v1(14.2,72.08) 14.18,72.08 11.12,69.01 v1(9.23,69.01) 8.92,69.01 v1(7.11,70.82)
  BOTTOM w0.254: R136.2 7.01,70.92 v1(7.11,70.82) ; v1(9.23,69.01) R105.2 R109.1 ; U101.11 13.79,72.52 14.09,72.22 14.09,72.19 v1(14.2,72.08)
N103621294: length 3.1
  BOTTOM w0.254: R108.1 R107.2 9.82,73.83 10.14,73.52 U101.6
N103794378: length 4.6
  TOP w0.254: J802.A8 v1(38.47,96.85) ; J802.A9 v1(39.27,96.85)
  L3_IN1 w0.381: v1(39.27,96.85) v1(38.47,96.85)
  BOTTOM w0.254: v1(38.47,96.85) 38.47,96.17 TP802.1
N104238302: length 2
  TOP w0.102: D708.A 2.54,21.84 v1(2.6,21.89)
  BOTTOM w0.102: v1(2.6,21.89) 2.47,21.89 2.37,21.79 R713.2
N104270741: length 3.1
  BOTTOM w0.254: J1001.3 79.68,43.47 79.6,43.38 R1027.1
N104271082: length 3.9
  BOTTOM w0.102: R1009.1 79.42,31.56 79.42,30.84 79.94,30.33 79.94,30.05 80.51,29.47 J1001.31
N104271093: length 4
  BOTTOM w0.102: J1001.35 80.55,27.47 80.14,27.88 80.14,29.06 79.42,29.78 R1011.1
N104271096: length 3.4
  BOTTOM w0.102: R1012.1 79.54,28.66 79.73,28.48 79.73,27.79 80.55,26.97 J1001.36
N104271099: length 2.8
  BOTTOM w0.102: R1013.1 79.42,27.55 80.5,26.47 J1001.37
N104271107: length 4.4
  BOTTOM w0.102: R1010.1 79.62,30.31 79.62,29.98 80.39,29.21 80.39,28.12 80.55,27.97 J1001.34
N104271750: length 4.2
  BOTTOM w0.102: R1004.1 R1003.1 79.2,21.42 79.75,21.97 J1001.46
N104271890: length 4.6
  BOTTOM w0.102: R1026.1 78.83,12.79 79.93,13.89 79.93,14.57 80.83,15.47 J1001.59
N104271893: length 3.9
  BOTTOM w0.102: J1001.58 80.79,15.97 78.7,13.88 R1025.1
N104271896: length 3.5
  BOTTOM w0.102: J1001.56 80.82,16.97 79.89,16.04 R1023.1
